# KiCad board PC110.kicad_pcb (continued)
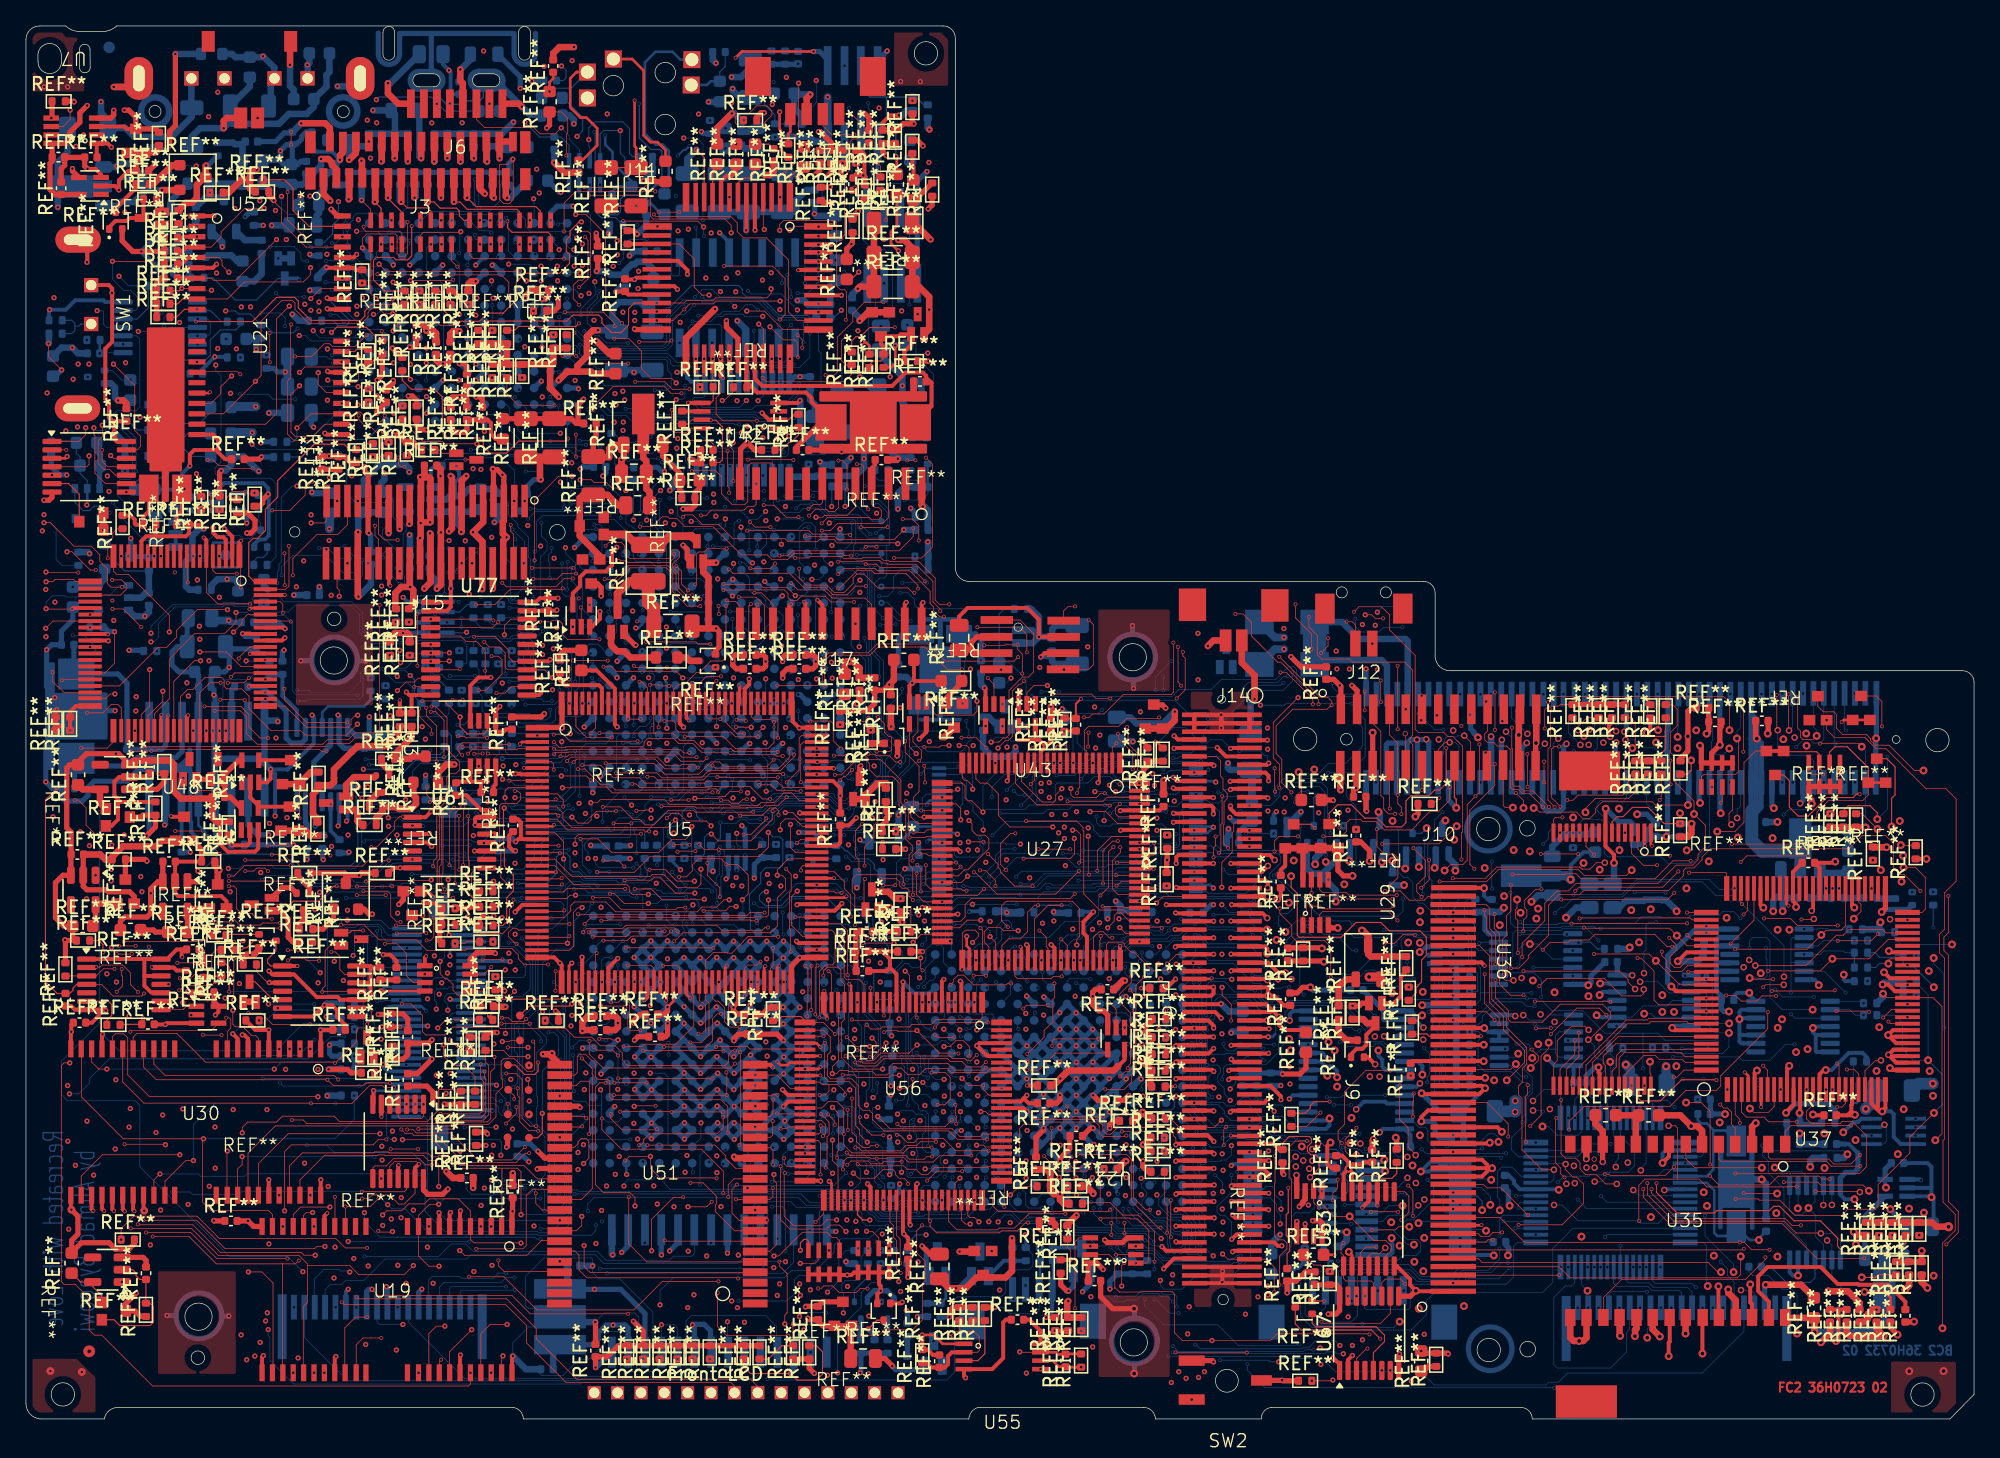
[diagram p0: board, top side]
## Routing (per net, layer and track width the routed paths; a pad name or vN(x,y) marks a point on that pad's centre or on a via; arc(x,y) is an arc through that point) (continued)
  BC2 w0.05: J8.94 137.68,50.71 137.24,51.15 135.72,51.15 134.93,51.94 v5(134.93,53.08)
FDC_STROBE#: length 64.5
  FC2 w0.05: v2(115.65,51.24) 115.65,48.72 v2(115.66,48.71)
  FC2 w0.3: v2(84.29,36.44) 84.27,36.42 U27.75
  FC1 w0.05: v2(84.29,36.44) 84.72,36.01 86.69,36.01 86.84,35.86 88.98,35.86 90.63,37.51 94.4,37.51 95.04,38.15 98.8,38.15 99.66,39.01 99.66,41.35 98.66,42.35 98.66,45.52 99.07,45.93 100.09,45.93 100.49,46.33 101.92,46.33 103.4,47.81 105.71,47.81 106.72,48.82 109.08,48.82 109.44,48.46 109.92,48.46 110.17,48.71 v2(115.66,48.71) ; v5(121.5,52.12) 121.5,53.17 120.59,54.08 119.3,54.08 v2(118.94,53.72) 118.94,53.04 119.11,52.87 119.11,51.78 118.57,51.24 v2(115.65,51.24)
  BC1 w0.05: v11(118.43,55.86) 118.91,56.34 122.02,56.34 122.45,55.91 122.45,54.46 121.5,53.51 v5(121.5,52.12)
FDC_TRK0: length 100.7
  FC2 w0.05: v5(135.8,53.06) 135.77,53.09 v2(135.77,55.85) ; v2(79.08,55.86) 82.08,55.86 82.42,55.52 v2(83.52,55.52) ; v2(113.15,53.1) 113.15,55.98 v2(113.14,55.99) ; v2(97.47,48.29) 96.73,49.03 96.73,50.84 96.29,51.28 96.29,53.41 97.57,54.69 100.21,54.69 100.52,55 v2(100.57,55) 100.59,55.02 100.59,55.29 100.27,55.61 100.22,55.61 100.21,55.62 99.66,55.62 v2(96.54,58.74)
  FC1 w0.05: v2(100.57,55) 100.65,55.08 103.52,55.08 104.78,53.82 106.92,53.82 107.21,53.53 110.07,53.53 110.5,53.1 v2(113.15,53.1) ; v2(97.47,48.29) 97.47,45.29 96.57,44.39 91.19,44.39 90.58,45 v2(87.9,45) ; v2(79.17,50.55) 79.17,50.66 78.92,50.91 77.86,50.91 77.38,51.39 77.38,52.04 77.83,52.49 77.83,54.59 79.08,55.84 v2(79.08,55.86) ; v2(135.77,55.85) 135.32,55.85 135.07,56.1 114.37,56.1 114.35,56.08 113.23,56.08 v2(113.14,55.99) ; v2(83.52,55.52) 86.07,55.52 88.82,58.27 96.07,58.27 v2(96.54,58.74)
  BC2 w0.05: J8.9 136.08,53.34 v5(135.8,53.06)
FDC_TXD1: length 92.3
  FC2 w0.05: v1(84.26,37.87) 84.73,37.4 U27.77
  FC2 w0.08: 144.05,11.13 142.69,11.13 142.47,10.91 v3(141.4,10.91)
  IC3 w0.05: v1(84.26,37.87) 85.21,38.82 85.21,38.83 88.08,38.83 88.3,38.61 88.81,38.61 89.28,39.08 90.7,39.08 90.73,39.05 94.69,39.05 95.1,39.46 95.84,39.46 96.73,38.57 97.89,38.57 98.94,37.52 100.09,37.52 100.81,36.8 104.54,36.8 105.4,37.66 109.76,37.66 111.69,35.73 120.79,35.73 122.93,37.87 132.2,37.87 132.62,37.45 134.67,37.45 v3(134.92,37.7)
  IC4 w0.05: v3(136.48,16.23) 136.48,20.75 136.13,21.1 136.13,25.77 135.37,26.53 135.37,29.13 135.92,29.68 135.92,36.7 v3(134.92,37.7)
  BC1 w0.05: v3(141.4,10.91) 139.38,10.91 136.47,13.82 136.47,16.22 v3(136.48,16.23)
  BC2 w0.05: REF**#859.2 136.5,16.25 v3(136.48,16.23)
FDC_WDATA#: length 73.3
  FC2 w0.05: U27.7 81.17,48.7 81.04,48.57 81.04,48.31 v2(80.95,48.22)
  FC1 w0.05: v1(80.92,46.8) 80.92,48.19 v2(80.95,48.22)
  IC1 w0.05: v3(114.59,43.84) 115.01,43.84 115.38,44.21 116.24,44.21 116.34,44.11 121.12,44.11 121.39,44.38 132.45,44.38 133.26,45.19 133.26,48.81 136.23,51.78 v5(136.23,52.51)
  IC2 w0.05: v3(114.59,43.84) 111.4,43.84 110.96,44.28 110.96,45.59 109.07,47.48 101.04,47.48 98.38,44.82 83.48,44.82 82.15,46.15 81.57,46.15 v1(80.92,46.8)
  BC1 w0.05: v11(136.88,55.91) 136.88,55.23 136.23,54.58 v5(136.23,52.51)
FDC_WGATE#: length 76.3
  FC1 w0.05: v1(104.1,57.74) 103.78,57.42 99.51,57.42 99.01,57.92 89.3,57.92 86.66,55.28 86.66,52.71 86.53,52.58 86.53,52.38 85.89,51.74 84.87,51.74 84.23,52.38 83.36,52.38 83.28,52.3 82.66,52.3 82.6,52.36 81.54,52.36 80.67,51.49 v2(80.67,50.55)
  IC1 w0.05: v5(136.65,47.44) 136.65,49.45 138.83,51.63 138.83,55.29 138.05,56.07 104.95,56.07 104.1,56.92 v1(104.1,57.74)
  BC2 w0.4: v5(136.65,47.44) 136.88,47.67 136.88,49.06
FDC_WRTPRT#: length 90.2
  FC2 w0.05: v2(83.11,48.21) 82.77,48.21 82.44,47.88 80.7,47.88 80.48,48.1 v1(80.48,48.58)
  FC1 w0.05: v2(83.11,48.21) 83.11,47.07 83.69,46.49 83.69,45.41 83.48,45.2 83.48,43.6 83.69,43.39 84.77,43.39 86.61,41.55 87.39,41.55 v2(87.86,41.08) ; v1(80.48,48.58) 80.48,49.07 80.47,49.08 80.47,49.12 80.32,49.27 79.95,49.27 v2(78.67,50.55)
  IC1 w0.05: v3(135.36,52.38) 135.36,53.96 133.63,55.69 104.04,55.69 v1(101.94,57.79)
  IC4 w0.05: v1(80.48,48.58) 80.48,54.71 82.83,57.06 87.08,57.06 87.71,57.69 87.71,60.45 88.53,61.27 92.43,61.27 95.38,58.32 101.41,58.32 v1(101.94,57.79)
  BC1 w0.05: v3(135.36,52.38) 135.36,55.83 v11(135.28,55.91)
FDC_X1_CLK1: length 64.6
  FC2 w0.2: v1(75.58,49.17) 75.67,49.26 U27.18
  IC3 w0.05: v1(75.58,49.17) 75.51,49.24 69,49.24 68.72,49.52 62.81,49.52 60.85,51.48 44.9,51.48 44.71,51.67 23.32,51.67 19.9,55.09 19.9,58.52 19.88,58.54 v1(19.88,59.25)
  BC2 w0.4: v1(19.88,59.25) 19.75,59.12 REF**#627.2
GDR_IO0: length 32.2
  FC1 w0.05: v1(18.01,93.88) 17.13,93.88 16.87,93.62 15.05,93.62 v2(14.17,94.5) 13.81,94.14 13.81,93.55 13.17,92.91 v2(13.17,91.91)
  IC1 w0.05: v1(39.1,94.03) 38.41,93.34 25.19,93.34 24.04,92.19 21.28,92.19 20.87,92.6 19.06,92.6 18.88,92.78 18.88,93.5 18.5,93.88 v1(18.01,93.88)
  BC2 w0.05: v1(39.1,94.03) 39.14,93.99 U23.L1
GDR_IO1: length 30.3
  FC2 w0.3: REF**#164.2 12.03,91.02 12.12,91.11 v2(13.17,91.11)
  FC1 w0.05: v2(13.17,91.11) 18.67,91.11 18.82,91.26 19.69,91.26 v1(20.06,90.89)
  BC1 w0.05: v1(20.06,90.89) 20.06,90.92 21.73,92.59 23.95,92.59 24.57,93.21 27.7,93.21 27.93,92.98 35.7,92.98 35.84,92.84 36.72,92.84 v11(36.99,92.57)
  BC2 w0.05: U23.K3 37.54,89.61 37.18,89.97 37.18,92.4 37.01,92.57 v11(36.99,92.57)
GDR_IO2: length 38.9
  FC2 w0.05: U21.4 14.26,90.31 15.03,91.08 15.03,91.48 16.85,93.3 v1(18.34,93.3)
  FC2 w0.3: REF**#396.2 12.05,89.99 12.37,90.31 U21.4
  IC1 w0.05: v1(18.34,93.3) 18.34,93.11 17.9,92.67 17.9,91.71 17.91,91.71 18.09,91.53 21.01,91.53 21.37,91.89 24.11,91.89 25.37,93.15 39.88,93.15 40.19,93.46 40.19,94.33 40.04,94.48 v1(39.54,94.48)
  BC1 w0.05: v11(39.11,90.91) 39.55,91.35 39.55,92.92 39.94,93.31 39.94,94.08 v1(39.54,94.48)
  BC2 w0.05: v11(39.11,90.91) U23.L2
GDR_IO3: length 31
  FC2 w0.05: U21.5 14.85,89.51 15.1,89.26 15.1,88.9 v1(15.63,88.37)
  FC2 w0.3: U21.5 12.49,89.51 12.01,89.03 REF**#63.2
  IC1 w0.05: v1(38.54,87.71) 37.96,87.13 37.96,86.44 37.34,85.82 32.8,85.82 30.26,88.37 16.52,88.37 16.47,88.41 15.67,88.41 v1(15.63,88.37)
  BC2 w0.05: U23.K4 38.5,87.71 v1(38.54,87.71)
GDR_IO4: length 43.2
  FC2 w0.05: 11.68,87.91 REF**#244.2 ; v1(19.3,90.89) 16.16,87.75 14.43,87.75 14.27,87.91 U21.7
  FC2 w0.3: U21.7 11.68,87.91
  BC1 w0.05: 40.17,93.03 39.76,92.62 39.76,90.31 v11(39.23,89.78) ; 40.17,93.03 40.17,95.85 40.17,95.75 40.17,96.45 39.88,96.74 39.14,96.74 38.55,96.15 38.55,94.51 37.5,93.46 37.8,93.76 37.53,93.49 36.1,93.49 36.01,93.58 35.71,93.58 35.38,93.91 35.16,93.91 34.23,94.84 26.05,94.84 25.25,94.04 25.25,93.78 24.97,93.5 24.52,93.5 23.8,92.78 21.19,92.78 19.29,90.88 v1(19.3,90.89) ; 40.17,93.03 39.99,92.85
  BC2 w0.05: v11(39.23,89.78) 39.23,89.7 U23.L3
GDR_IO5: length 36.7
  FC2 w0.05: 13.12,87.11 12.01,87.11 v1(12,87.12)
  FC2 w0.08: REF**#415.2 11.82,86.94 v1(12,87.12)
  IC3 w0.05: v1(40.93,88.84) 40.29,88.2 26.82,88.2 26.28,87.66 13.45,87.66 12.98,87.19 12.94,87.19 12.87,87.12 v1(12,87.12)
  BC1 w0.05: v11(40.98,92.05) 40.56,92.05 40.06,91.55 40.06,90.36 40.93,89.49 v1(40.93,88.84)
  BC2 w0.05: v11(40.98,92.05) 41.08,92.15 U23.N1
GDR_IO6: length 33.1
  FC2 w0.05: v1(21.92,88.73) 21.92,88.17 21.37,87.62 16.83,87.62 15.52,86.31 U21.9
  FC2 w0.08: U21.9 12.06,86.31 11.69,85.94 REF**#342.2
  IC3 w0.05: v1(21.92,88.73) 22.5,89.31 26.25,89.31 27.13,90.19 40.99,90.19 v1(41.07,90.11)
  BC2 w0.05: U23.M2 41.07,90.22 v1(41.07,90.11)
GDR_IO7: length 31.8
  FC2 w0.08: 11.09,84.91 11.6,84.91 12.2,85.51 v2(13.17,85.51)
  FC1 w0.05: v1(14.68,88.31) 13.8,88.31 13.17,87.68 v2(13.17,85.51)
  IC3 w0.05: v1(14.68,88.31) 14.83,88.31 15.3,87.84 24.8,87.84 25.34,88.38 36.57,88.38 v1(37.18,88.99)
  BC2 w0.05: v1(37.18,88.99) 38.75,88.99 39.14,88.6 39.14,88.34
GDR_IO8: length 37.5
  FC2 w0.3: v1(23.21,85.56) 23.26,85.51 U21.31
  IC3 w0.05: v1(42.2,90.11) 41.68,90.11 41.54,89.97 41.54,87.79 40.69,86.94 25.28,86.94 23.9,85.56 v1(23.21,85.56)
  BC1 w0.05: v1(23.21,85.56) 23.68,86.03 23.68,86.49 23.23,86.94 23.23,87.26 23.36,87.39 23.36,87.78 23.19,87.95 22.15,87.95 21.41,87.21 v11(21.41,86.47) ; v11(18.52,81.98) 18.51,81.99 18.51,86 v11(19.26,86.75)
  BC2 w0.05: U23.N2 41.67,90.87 41.67,90.43 41.88,90.22 42.09,90.22 v1(42.2,90.11) ; v11(21.41,86.47) 19.54,86.47 v11(19.26,86.75)
GDR_IO9: length 43
  FC2 w0.3: U21.32 23.28,86.31 v1(23.2,86.39)
  IC2 w0.05: v1(27.01,99.89) 27.01,99.76 25.47,98.22 25.47,93.62 24.41,92.56 24.41,87.6 v1(23.2,86.39)
  BC1 w0.05: v11(34.59,95.52) 34.59,95.52 29.4,95.52 27.92,97 27.92,98.99 27.02,99.89 v1(27.01,99.89) ; v11(34.5,93.63) 35.33,93.63 35.58,93.38 35.9,93.38 36.08,93.2 37.18,93.2 37.48,92.9 37.48,92.14 37.69,91.93 38.46,91.93 38.8,91.59 38.8,89.62 38.96,89.46 v11(40.3,89.46)
  BC2 w0.05: v11(34.59,95.52) 34.54,95.47 34.54,93.67 v11(34.5,93.63) ; v11(40.3,89.46) 40.3,89.5 U23.M3
  BC2 w0.08: v1(23.2,86.39) 24.86,84.73 24.86,84.44 24.7,84.28 24.03,84.28 23.68,84.63 REF**#720.1
GDR_IO10: length 49.1
  FC2 w0.05: v1(21.94,86.34) 22.71,87.11 v2(24.37,87.11)
  FC2 w0.08: v2(27.4,83.84) 27.44,83.8 REF**#204.2
  FC1 w0.05: v2(24.37,87.11) 24.26,87 24.26,83.66 24.69,83.23 25.5,83.23 26.11,83.84 v2(27.4,83.84)
  IC1 w0.05: v1(21.94,86.34) 22.62,87.02 30.34,87.02 31.74,85.62 40.79,85.62 41.69,86.52 41.69,89.29 41.9,89.5 42.41,89.5 42.86,89.05 v1(42.86,88.9)
  BC1 w0.05: v11(44.39,87.89) 44.39,88.65 44.14,88.9 v1(42.86,88.9) ; v11(44.39,85.35) 43.79,85.35 43.64,85.5 39.56,85.5 39.47,85.41 38.65,85.41 37.84,86.22 37.84,86.79 v11(37.83,86.79)
  BC2 w0.05: v11(37.83,86.79) 37.83,87.03 U23.K5 ; v11(44.39,85.35) 44.74,85.7 44.74,87.67 44.52,87.89 v11(44.39,87.89)
GDR_IO11: length 17.7
  FC2 w0.05: v2(27.07,88.22) 27.12,88.17 36.61,88.17 37.19,87.59 v1(37.19,86.38)
  FC1 w0.05: v2(39.09,85.39) 38.18,85.39 v1(37.19,86.38) ; v2(24.37,87.91) 26.76,87.91 v2(27.07,88.22)
  BC2 w0.05: U23.J5 37.19,86.48 v1(37.19,86.38)
GDR_IO12: length 31.1
  FC2 w0.3: v1(25.47,89.74) 25.24,89.51 U21.36
  FC1 w0.05: v1(25.47,89.74) 25.47,90.41 26,90.94 28.24,90.94 28.55,90.63 28.55,90.16 27.69,89.3 27.69,88.22 27.01,87.54 v2(25.9,87.54)
  IC3 w0.05: v1(42.86,90.55) 43,90.69 43,91.33 42.84,91.49 42.03,91.49 41.18,90.64 27.23,90.64 26.33,89.74 v1(25.47,89.74)
  BC2 w0.05: v1(42.86,90.55) 42.86,90.06 42.41,89.61 U23.N3
GDR_IO13: length 34.6
  FC2 w0.05: v1(19.09,93.9) 19.09,93.83 19.69,93.23 19.69,92.18 21.56,90.31 U21.37
  FC2 w0.4: 18.7,94.59 18.7,94.29 v1(19.09,93.9)
  IC4 w0.05: v1(19.09,93.9) 19.09,94.57 19.08,94.58 19.08,94.62 19.26,94.8 34.31,94.8 38.99,90.12 38.97,90.1 38.97,88.45 39.69,87.73 v1(39.69,87.71)
  BC2 w0.05: v1(39.69,87.71) 39.78,87.71 U23.M4
GDR_IO14: length 78.3
  FC1 w0.05: v2(24.37,91.11) 23.98,91.5 12.89,91.5 12.75,91.36 12.75,85.4 12.94,85.21 13.51,85.21 14.62,86.32 15.97,86.32 v1(16.59,85.7)
  IC1 w0.05: v1(16.59,85.7) 15.99,85.7 15.18,86.51 15.18,88.65 16.81,90.28 23.25,90.28 24.91,91.94 39.22,91.94 40.37,93.09 40.37,94.9 40.74,95.27 41.47,95.27 43.38,93.36 43.38,86.75 v1(43.37,86.74)
  BC1 w0.05: v11(39.24,87) 39.96,87 40.12,87.16 40.54,87.16 40.71,86.99 41.8,86.99 42.03,87.22 42.89,87.22 v1(43.37,86.74) ; v1(16.59,85.7) 16.59,90.81 16.88,91.1 v11(16.88,92.65)
  BC2 w0.05: U23.L5 39.21,87 v11(39.24,87)
  BC2 w0.4: v11(16.88,92.65) 17.23,93 REF**#583.1
GDR_IO15: length 51.3
  FC2 w0.08: U21.39 21.8,91.91 20.57,93.14 20.57,94.85 19.92,95.5 v2(18.27,95.5)
  FC1 w0.05: v1(16.09,93.28) 16.8,92.57 18.58,92.57 18.79,92.78 18.79,93.45 18.54,93.7 18.54,94.39 18.27,94.66 v2(18.27,95.5)
  IC3 w0.05: v1(16.09,93.28) 17.18,93.28 17.81,92.65 21.14,92.65 23.52,95.03 42.73,95.03 43.5,94.26 43.5,88.61 43.53,88.58 43.22,88.27 v1(42.67,88.27)
  BC2 w0.05: U23.N4 42.6,88.34 v1(42.67,88.27)
GDR_LCAS#: length 2.1
  FC2 w0.08: 26.52,82.41 26.51,82.42 ; REF**#411.2 25.47,82.42 25.31,82.26 U21.29
GDR_RAS#: length 30.5
  FC2 w0.05: U21.14 13.22,80.71 16.31,80.71 v2(16.51,80.51)
  FC1 w0.05: v2(34.08,85.9) 34.06,85.88 34.06,78.51 32.57,77.02 21.51,77.02 18.02,80.51 v2(16.51,80.51)
GDR_SA0: length 33.6
  FC2 w0.2: U21.16 14.1,79.06 v2(14.17,79.13)
  FC1 w0.05: v1(15.38,85.39) 14.59,85.39 14.17,84.97 v2(14.17,79.13)
  BC1 w0.05: v11(24.48,84.58) 24.49,84.59 24.49,88.36 24.63,88.5 25.31,88.5 25.55,88.74 25.55,89.14 26.88,90.47 29.68,90.47 30.18,90.97 v11(34,90.97) ; v11(20.92,84.03) 21.47,84.58 22.94,84.58 v11(23.46,85.1)
  BC2 w0.05: v11(24.48,84.58) 23.96,85.1 v11(23.46,85.1) ; v11(34,90.97) 34,90.94 U23.G2
  BC2 w0.08: v1(15.38,85.39) 16.13,85.39 16.37,85.15 17.27,85.15 REF**#741.1 18.41,84.31 19.02,83.7 20.59,83.7 v11(20.92,84.03)
GDR_SA1: length 38.1
  FC2 w0.05: U21.17 14.25,78.26 15.01,79.02 15.01,79.55 v1(15.84,80.38)
  BC1 w0.05: v1(15.84,80.38) 17.56,80.38 18.88,81.7 18.88,85.87 20.02,87.01 20.02,90.26 22.17,92.41 24.24,92.41 24.87,93.04 26.87,93.04 27.15,92.76 35.59,92.76 35.72,92.63 36.38,92.63 36.73,92.28 36.73,92.02 36.13,91.42 v11(35.84,91.42)
  BC2 w0.05: U23.G1 34.35,92.15 34.93,91.57 35.69,91.57 v11(35.84,91.42)
GDR_SA2: length 31.5
  FC2 w0.05: v1(28.25,85.17) 27.59,85.17 27.19,85.57 26.63,85.57 26.35,85.29 26.35,84.93 25.83,84.41 21.81,84.41 20.72,85.5 20.72,86 20.51,86.21 19.72,86.21 18.11,84.6 18.11,80.4 v1(17.67,79.96) 17.67,79.92 15.21,77.46 U21.18
  BC1 w0.05: v1(28.25,85.17) 28.96,85.17 29.53,85.74 29.53,86.35 31.39,88.21 32.78,88.21 33.49,88.92 v11(34.01,88.92)
  BC2 w0.05: v11(34.01,88.92) 34.06,88.97 U23.G3
GDR_SA3: length 34.5
  FC2 w0.05: v1(20.28,85.76) 19.3,84.78 19.3,77.5 18.46,76.66 U21.19
  IC3 w0.05: v1(20.28,85.76) 19.7,85.18 19.7,84.9 20.23,84.37 33.96,84.37 v1(34.65,85.06)
  BC1 w0.05: v11(34.03,86.37) 34.03,86.08 33.89,85.94 v11(33.89,85.1)
  BC2 w0.05: U23.G5 34.06,86.4 v11(34.03,86.37) ; v11(33.89,85.1) 34.61,85.1 v1(34.65,85.06)
GDR_SA4: length 34.7
  FC2 w0.05: U21.22 23.01,76.66 22.07,75.72 20.74,75.72 20.41,76.05 20.41,78.96 v1(21.07,79.62)
  IC4 w0.05: v1(25.61,92.42) 24.68,92.42 24.31,92.05 24.31,80.54 23.39,79.62 v1(21.07,79.62)
  BC1 w0.05: v11(35.27,92.25) 34.87,92.25 34.7,92.42 v1(25.61,92.42)
  BC2 w0.05: U23.H1 35.33,92.09 35.32,92.08
GDR_SA5: length 37.5
  FC2 w0.05: U21.23 21.95,77.46 v1(20.87,76.38)
  BC1 w0.05: v1(20.87,76.38) 20.39,76.86 20.39,81.3 19.25,82.44 19.25,85.78 20.24,86.77 20.24,90.08 22.37,92.21 24.37,92.21 24.63,91.95 26.13,91.95 26.36,92.18 34.13,92.18 34.58,91.73 v11(34.58,91.24)
  BC2 w0.05: U23.H2 34.69,90.88 34.58,90.99 v11(34.58,91.24)
  BC2 w0.08: REF**#814.1 20.57,75.3 20.72,75.45 20.73,75.45 20.87,75.59 v1(20.87,76.38)
GDR_SA6: length 33.5
  FC1 w0.05: v2(24.32,78.26) 23.81,78.77 23.81,80.97 22.51,82.27 19.28,82.27 18.17,83.38 18.17,84.83 v1(17.3,85.7)
  IC3 w0.05: v1(17.3,85.7) 17.3,86.7 18.08,87.48 24.22,87.48 24.53,87.17 35.32,87.17 v1(35.86,87.71)
  BC2 w0.05: v1(35.86,87.71) 35.86,87.38 35.55,87.07 U23.H5
GDR_SA7: length 21.1
  FC2 w0.05: v1(22.51,80.63) 22.51,79.73 23.13,79.11 U21.25
  IC2 w0.05: v1(34.64,88.92) 34.3,88.92 34.29,88.93 32.59,87.23 32.59,86.15 29.53,83.09 23.27,83.09 22.56,82.38 22.56,80.68 v1(22.51,80.63)
  BC2 w0.3: v1(34.64,88.92) U23.H3
GDR_SA8: length 45.7
  FC2 w0.05: U21.26 25.34,79.86 25.6,80.12 25.6,80.77 25.3,81.07 21.49,81.07 v1(21.07,80.65)
  BC1 w0.05: v11(36.41,92.13) 36.11,92.43 35.61,92.43 35.44,92.6 26.57,92.6 26.35,92.82 25.12,92.82 v11(24.7,92.4) ; v11(16.48,78.97) 16.48,79.34 16.11,79.71 15.73,79.71 15.32,80.12 15.32,81.06 16.06,81.8 v11(16.52,81.8) ; v11(20.74,78.59) 20.74,79.13 20.61,79.26 20.61,80.19 v1(21.07,80.65) 21.07,81.18 19.63,82.62 19.63,85.73 20.54,86.64 20.54,90.02 22.41,91.89 v11(24.13,91.89)
  BC2 w0.05: v11(24.13,91.89) 24.19,91.89 v11(24.7,92.4) ; U23.J1 36.58,92.13 v11(36.41,92.13) ; v11(16.48,78.97) 18.64,78.97 19.02,78.59 v11(20.74,78.59)
GDR_UCAS#: length 3
  FC1 w0.05: v2(26.36,79.39) 25.84,79.91 25.84,80.08 24.46,81.46 v2(24.32,81.46)
GDR_WE#: length 21.8
  FC2 w0.08: REF**#278.1 26.62,85.9 26.1,85.38 26.1,84.98 25.78,84.66 21.94,84.66 20.98,85.62 20.98,86.14 20.69,86.43 19.3,86.43 17.44,84.57 v2(13.1,84.57)
  FC1 w0.05: v2(13.17,81.46) 13.12,81.51 13.12,84.55 v2(13.1,84.57)
INTR#: length 16.4
  FC2 w0.05: v2(72.66,27.95) 72.66,28.7 72.2,29.16 71.63,29.16 71.17,28.7 v1(70.71,28.7)
  FC2 w0.3: v2(77.11,25.7) REF**.1
  FC1 w0.05: v2(72.66,27.95) 72.66,27.46 73.4,26.72 75.7,26.72 76.72,25.7 v2(77.11,25.7)
  BC1 w0.05: v1(70.71,28.7) 71.29,28.12 71.94,28.12 72.43,28.61 v11(72.43,30.04)
  BC2 w0.05: v11(72.43,30.04) 72.75,30.04 73.08,30.37 73.39,30.37 73.7,30.06 74.51,30.06 75.11,29.46 75.11,29.43
IOCHRDY: length 173
  FC2 w0.05: U27.98 83.26,47.9 82.96,47.6 v2(80.23,47.6) ; v5(133.2,34.94) 137.11,34.94 139.45,37.28 139.98,37.28 140.42,37.72 143.01,37.72 143.27,37.46 144.93,37.46
  FC1 w0.05: v2(80.23,47.6) 79.8,47.17 79.28,47.17 79.01,46.9 v1(79.01,46.58) ; v5(107.62,29.23) 107.66,29.23 108.78,30.35 109.55,30.35 v2(109.93,30.73)
  IC1 w0.05: v1(72.58,43.85) 72.98,43.45 73.64,43.45 74.17,43.98 74.17,45.08 75.76,46.67 78.76,46.67 78.85,46.58 v1(79.01,46.58) ; v5(133.2,34.94) 133.2,33.84 132.85,33.49 132.46,33.49 130.83,31.86 118.18,31.86 117.84,32.2 110.94,32.2 107.97,29.23 v5(107.62,29.23) 106.8,29.23 106.05,29.98 106.05,30.45 102.56,33.94 97.51,33.94 v5(97.47,33.9)
  IC2 w0.05: v1(73.31,24.9) 74.27,24.9 75.14,25.77 75.14,40.45 72.58,43.01 v1(72.58,43.85)
  IC3 w0.05: v1(72.58,43.85) 72.58,43.89 72.98,44.29 72.98,44.69 72.13,45.54 71.63,45.54 71.35,45.82 65.71,45.82 65.51,45.62 62.86,45.62 62.48,46 61.3,46 59.99,47.31 57.15,47.31 56.28,46.44 54.4,46.44 v1(54.3,46.34)
  IC4 w0.05: v5(97.47,33.9) 97.47,38.38 96.81,39.04 96.81,39.76 96.82,39.77 96.82,40.39 96.68,40.52 96.68,45.86 97.36,46.54 97.36,47.15 97.06,47.45 96.75,47.45 96.49,47.71 96.49,48.32 96.2,48.61 95.61,48.61 95.13,49.09 95.13,52.23 94.67,52.69 91.73,52.69 90.86,53.56 82.94,53.56 80.9,51.52 80.9,47.98 80.06,47.14 79.57,47.14 v1(79.01,46.58)
  BC1 w0.05: v1(73.31,24.9) 73.31,25.45 73.66,25.8 73.66,26.48 v11(72.62,27.52) ; v11(56.55,46.22) 56.55,45.16 57.42,44.28 v11(57.77,44.28) ; v1(54.3,46.34) 54.3,47.04 53.91,47.43 53.91,48.95 53.58,49.28 53.58,51.03 v11(53.19,51.42)
  BC2 w0.05: v11(56.55,46.22) 55.64,46.22 55.52,46.34 v1(54.3,46.34) ; 52.56,51.45 53.16,51.45 v11(53.19,51.42) ; v11(72.62,27.52) 72.57,27.57 72.57,28.19
IOCS16#: length 151.6
  FC2 w0.05: U27.25 72.12,49.39 72.3,49.21 72.49,49.21 72.92,48.78 v1(72.92,48.53) ; v5(121.61,42.87) 120.97,42.87 120.47,42.37 119.87,42.37 119.79,42.45 119.75,42.45 119.67,42.53 113.29,42.53 112.43,41.67 v2(109.9,41.67) ; v1(101.16,46.72) 101.18,46.7 v2(101.18,45.58)
  FC1 w0.05: v2(101.18,45.58) 101.77,44.99 105.53,44.99 107.73,42.79 107.73,42.57 108.38,41.92 108.87,41.92 109.04,41.75 109.08,41.75 109.16,41.67 v2(109.9,41.67) 109.9,39.06 v2(109.93,39.03)
  IC1 w0.05: v3(142.87,42.3) 142.83,42.3 141.71,43.42 138.56,43.42 138.3,43.68 128.76,43.68 128.52,43.44 121.81,43.44 121.61,43.24 v5(121.61,42.87) ; v1(101.16,46.72) 101,46.72 100.6,46.32 94.74,46.32 94.21,46.85 92.25,46.85 91.95,47.15 90.1,47.15 89.06,48.19 87.55,48.19 v1(86.92,48.82)
  IC3 w0.05: v1(72.92,48.53) 76.54,48.53 77.52,49.51 85.21,49.51 85.9,48.82 v1(86.92,48.82)
  BC1 w0.05: v11(64.4,33.92) 64.4,34.49 64.5,34.59 64.5,35.48 64.9,35.88 64.9,39.28 65.08,39.46 65.08,43.15 66.72,44.79 66.72,45.38 ; v11(53.48,45.96) 53.48,46.4 53.35,46.53 v11(53.35,48.41) ; v11(63.01,46.42) 63.13,46.3 63.13,45.71 63.46,45.38 66.72,45.38 ; 66.72,45.38 67.73,45.38 68.03,45.68 68.03,47.01 67.82,47.22 67.35,47.22 v11(67.12,47.45) ; v11(67.68,17.62) 66.54,17.62 66.03,18.13 v11(66.03,18.62)
  BC2 w0.05: v11(66.03,18.62) 65.72,18.93 65.72,19.74 64.4,21.06 64.4,22.64 64.21,22.83 64.21,24.88 64.14,24.95 64.14,26.69 63.85,26.98 63.85,27.44 63.96,27.55 65.07,27.55 65.65,28.13 65.65,30.11 64.4,31.36 v11(64.4,33.92) ; v11(53.48,45.96) 53.63,45.96 53.69,45.9 54.69,45.9 54.97,46.18 55.41,46.18 55.7,45.89 56.74,45.89 56.88,46.03 57.38,46.03 57.46,46.11 57.46,46.54 58.34,47.42 61.4,47.42 62.24,46.58 62.85,46.58 v11(63.01,46.42) ; v1(72.92,48.53) 72.92,49.92 72.25,50.59 68.53,50.59 67.12,49.18 v11(67.12,47.45) ; v11(53.35,48.41) 53.35,48.43 ; v11(67.68,17.62) 68.8,17.62 69.19,18.01 U25.B1
  BC2 w0.08: REF**#599.2 52.94,44.21 53.48,44.75 v11(53.48,45.96)
  BC2 w0.2: 53.35,48.43 53.83,48.91
IOR#: length 220.4
  FC2 w0.05: v2(57.51,46.84) 57.51,46.23 55.83,44.55 53.32,44.55 v1(52.79,45.08) ; v2(72.99,34.16) v2(73.95,34.16) ; v2(55.44,53.81) 55.37,53.88 v2(54.73,53.88) ; v2(72.45,40.71) 72.17,40.71 72.03,40.85 69.66,40.85 69.31,41.2 v2(69.31,42.67) ; U56.86 74.14,23.46 73.92,23.68 v1(73.54,23.68)
  FC1 w0.05: v2(57.36,55.15) 57.36,55.18 56.95,55.59 55.58,55.59 54.73,54.74 v2(54.73,53.88) ; v2(72.45,40.71) 72.45,38.11 73.95,36.61 v2(73.95,34.16) ; v2(55.44,53.81) 56.02,53.81 56.31,53.52 56.31,53.06 56.01,52.76 56.01,52.41 56.17,52.25 56.17,50.11 57.62,48.66 57.62,47.6 57.51,47.49 v2(57.51,46.84) 58.02,47.35 59.83,47.35 60.34,46.84 62.29,46.84 63.6,45.53 64.66,45.53 65.27,44.92 67.19,44.92 67.76,45.49 68.5,45.49 69.31,44.68 v2(69.31,42.67) ; v1(73.54,23.68) 73.08,23.68 72.78,23.98 72.78,25.65 72.58,25.85 72.58,26.48 72.14,26.92 72.14,28.17 72.4,28.43 72.4,30.59 72.04,30.95 72.04,32.38 72.99,33.33 v2(72.99,34.16)
  IC1 w0.05: v3(138.53,19.34) 138.53,19.52 140.41,21.4 140.41,22.6 140.13,22.87 135.11,22.87 134.59,23.39 132.3,23.39 131.6,24.09 129.15,24.09 128.4,24.84 127.51,24.84 126.13,23.46 118.96,23.46 117.61,24.81 117.39,24.81 115.47,26.73 113.39,26.73 113.04,27.08 105.83,27.08 104.53,25.78 102.76,25.78 101.55,26.99 99.52,26.99 97.82,25.29 95.26,25.29 93.95,26.6 ; 93.95,26.6 93.22,27.33 90.95,27.33 89.3,25.68 76.8,25.68 74.8,23.68 v1(73.54,23.68) ; 93.95,26.6 93.98,26.57
  IC3 w0.05: v3(131.17,29.75) 132.09,28.83 136.9,28.83 v3(137.23,28.5)
  BC1 w0.05: v11(141.85,36.87) 141.85,36.94 141.06,37.73 v11(140.43,37.73) ; v11(136.96,37.75) 137.35,37.36 137.35,33.46 137.02,33.13 137.02,30.76 137.23,30.55 v3(137.23,28.5) 137.23,27.27 137.4,27.1 137.4,24.5 137.14,24.24 137.14,22.26 138.53,20.87 v3(138.53,19.34) ; v11(126.3,28.62) 125.82,28.14 120.76,28.14 120.23,27.62 120.23,23.27 v11(120.3,23.2) 120.3,21.53 119.19,20.42 117.73,20.42 117.44,20.13 v11(113.64,20.13) ; v11(109.15,20.13) 109.16,20.12 v11(109.16,17.22) ; v11(72.65,26.42) 72.65,24.57 v1(73.54,23.68)
  BC2 w0.05: v11(113.64,20.13) 113.54,20.23 109.25,20.23 v11(109.15,20.13) ; v11(126.3,28.62) 126.66,28.62 127.12,28.17 130.68,28.17 131.17,28.66 v3(131.17,29.75) 130.17,29.75 129.46,30.46 129.46,31.58 ; v11(72.65,26.42) 72.57,26.5 72.57,26.92 ; U41.5 129.46,31.61 129.46,31.58 ; 129.46,31.58 129.46,32.72 129.27,32.91 U41.3 ; v11(140.43,37.73) 138.82,37.73 138.77,37.78 137.98,37.78 137.95,37.75 v11(136.96,37.75) ; U14.7 109.35,15.89 109.16,16.07 v11(109.16,17.22)
  BC2 w0.08: v1(52.79,45.08) 52.53,45.08 52.26,44.81 52.26,43.55 51.9,43.19 REF**#685.2
IOW#: length 243.6
  FC2 w0.05: v2(61.52,56.52) 61.52,58.44 61.94,58.86 65,58.86 65.63,59.49 69.24,59.49 70.96,57.77 v2(72.09,57.77) ; v2(57.62,53.72) 57.62,52.12 57.15,51.65 54.65,51.65 53.71,52.59 v2(50.75,52.59) ; U56.89 74.17,24.96 73.73,25.4 v2(73.73,25.71) 72.63,25.71 v1(72.1,26.24) ; U27.34 69.36,44.9 69.27,44.81 v2(68.06,44.81) 68.06,45.28 67.98,45.36 67.98,46.88 67.39,47.47 67.39,49.22 67.38,49.23 67.38,49.25 65.8,50.83 64.92,50.83 64.52,51.23 63.13,51.23 63.01,51.11 v2(62.23,51.11) ; REF**#151.2 74.56,56.61 v2(74.08,57.09) ; v2(68.93,40.65) 68.93,42.41 v2(68.65,42.69) ; v2(51.85,44.28) 52.25,43.88 v2(53.36,43.88) 56.26,43.88 v2(56.55,44.17)
  FC2 w0.3: REF**#41.1 65.97,44.44 v2(66,44.47)
  FC1 w0.05: v1(54.44,41.1) 53.68,41.1 53.42,41.36 53.42,43.82 v2(53.36,43.88) ; v2(61.52,56.52) 61.52,56.52 60.38,56.52 57.62,53.76 v2(57.62,53.72) 57.62,54.05 56.86,54.81 v2(56.86,55.15) ; v2(68.65,42.69) 68.65,43.17 68.44,43.38 66.79,43.38 66.57,43.6 65.2,43.6 64.74,43.14 58.2,43.14 57.17,44.17 v2(56.55,44.17) ; v2(68.06,44.81) 67.83,44.58 67.07,44.58 66.96,44.47 v2(66,44.47) ; 72.02,37.75 72.02,36.71 72.61,36.12 73.27,36.12 73.62,35.77 73.62,33.65 72.22,32.25 72.22,31.28 72.59,30.91 72.59,28.36 72.34,28.11 72.34,27.19 72.78,26.75 72.78,25.97 73.04,25.71 v2(73.73,25.71) ; 72.02,37.75 72.02,37.9 72.25,38.13 72.25,40.1 71.7,40.65 v2(68.93,40.65) ; 72.02,37.75 72.02,37.71 ; v2(53.36,55.15) 53.85,55.64 53.85,58.43 55.48,60.06 61.04,60.06 61.46,59.64 61.46,53.78 62.23,53.01 v2(62.23,51.11) ; v2(50.75,52.59) 50.75,52.09 50.59,51.93 50.59,49.47 52,48.06 52,47.58 51.82,47.4 51.82,44.31 v2(51.85,44.28) ; v2(72.09,57.77) 72.77,57.09 v2(74.08,57.09)
  IC1 w0.05: v3(113.09,26.1) 113.09,24.21 114.76,22.54 v3(116.81,22.54)
  IC2 w0.05: v3(113.09,26.1) 113.09,25.6 109.72,22.23 109.72,15.98 108.83,15.09 v3(107.26,15.09)
  IC3 w0.05: 91.98,27.26 91.96,27.23 ; 91.98,27.26 91.98,27.25 91.08,27.25 89.45,25.62 72.72,25.62 v1(72.1,26.24) ; 91.98,27.26 92.05,27.32 93.44,27.32 94.66,26.1 94.66,24.77 95.23,24.2 96.45,24.2 97.92,22.74 102.76,22.74 102.76,22.74 102.95,22.74 103.34,23.13 105.61,23.13 106.96,24.48 107.68,24.48 107.9,24.7 112.22,24.7 113.09,25.57 v3(113.09,26.1)
  BC1 w0.05: v11(136.22,28.86) 136.22,29.96 136.64,30.38 136.64,35.48 v11(136.96,35.8) ; v1(54.44,41.1) 53.85,41.1 53.36,41.59 53.36,42.38 53.07,42.67 52.33,42.67 51.81,43.19 v11(50.72,43.19) ; v11(120.61,24.89) 120.61,27.48 121.03,27.9 v11(126.85,27.9)
  BC2 w0.05: v11(120.61,24.89) 120.18,24.89 119.8,24.51 119.8,22.11 119.56,21.87 117.92,21.87 117.25,22.54 v3(116.81,22.54) ; REF**#510.2 140.12,35.93 139.99,36.06 138.46,36.06 138.2,35.8 v11(136.96,35.8) ; v1(72.1,26.24) 71.99,26.35 71.43,26.35 71.3,26.48 71.3,26.9 ; v3(107.26,15.09) 107.41,15.24 U14.8 ; v11(136.22,28.86) 135.53,28.86 134.31,27.64 132.19,27.64 131.93,27.9 v11(126.85,27.9)
  BC2 w0.08: REF**#510.2 REF**#620.2
